# Altium PCB ASCII_LimeSDR-USB_1v4.PcbDoc (part 6 of 10) (continued)
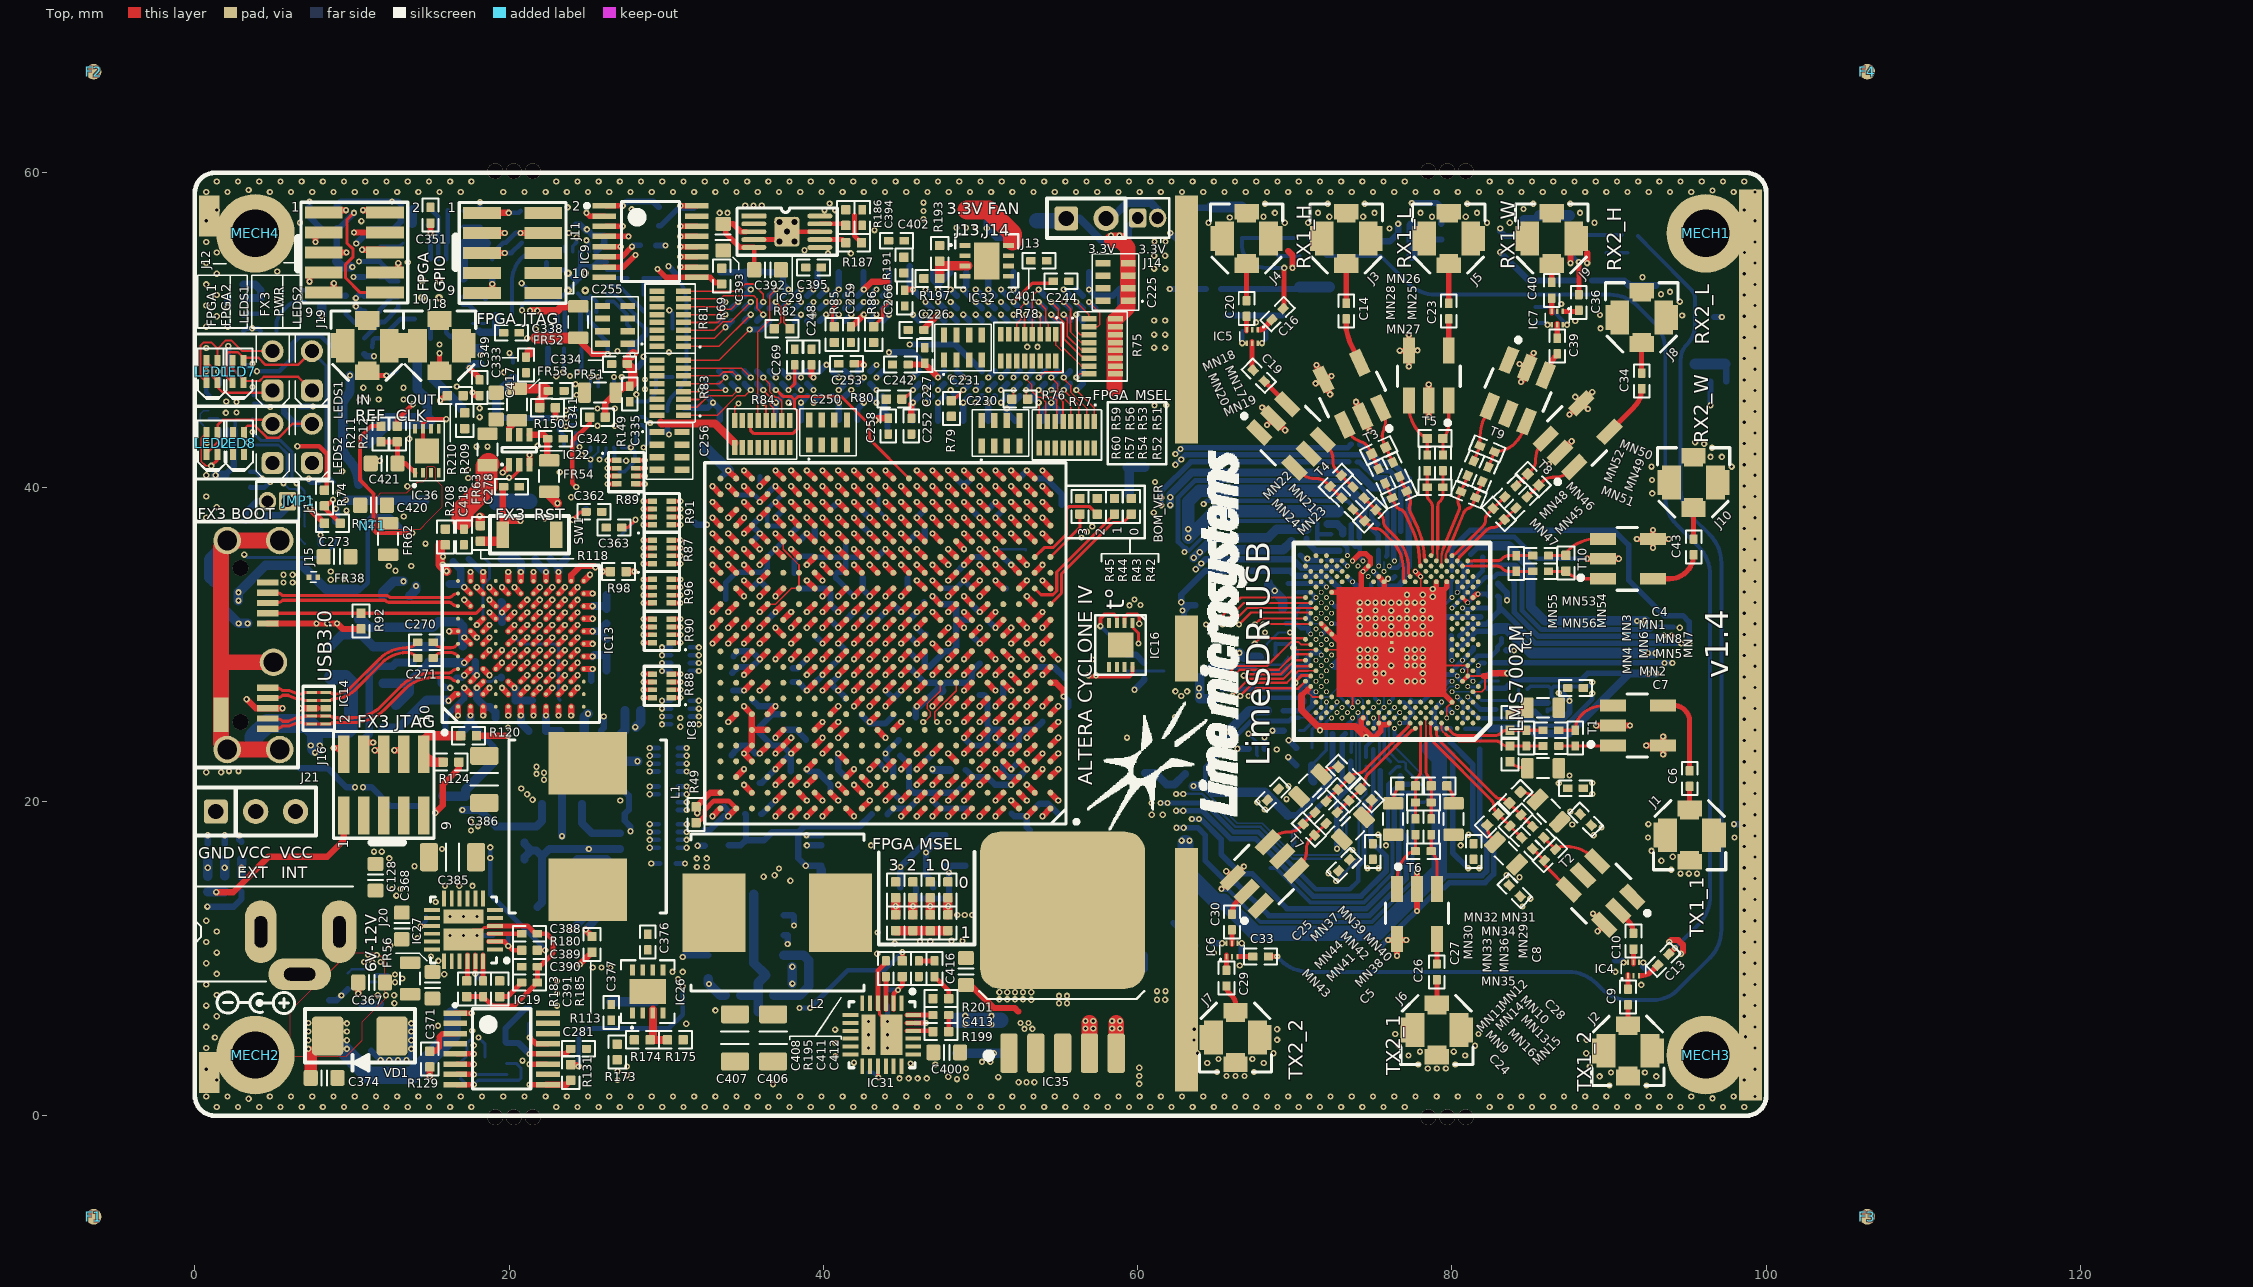
[diagram p0: Top view]
## Nets (pads, with @x,y where several pads share a name; then routed paths per layer and width w, separated by ;. In a path a pad name is that pad's centre, name@x,y a point inside that pad or via, vN(x,y) a via of type N, cw(c..) or ccw(c..) an arc to the next point about the centre after c; other vN are vias at no path point) (continued)
  Bottom w1: XO2.2@19.2,39.025 19.275,39.1 21.3,39.1
  other v1: 90.025,1.925 92.375,1.925 36.8,2 1.4,2.275 98.6,2.275 89.4,2.5 93,2.5 65.65,2.525 66.225,2.525 66.8,2.525 90.125,2.75 92.275,2.75 65.05,2.775 67.4,2.775 0.725,2.95 99.275,2.95 78.465,3 79.04,3 79.615,3 88.775,3.125 77.865,3.25 80.215,3.25 64.425,3.35 68.025,3.35 41.95,3.375 20.85,3.5 65.15,3.6 67.3,3.6 40.775,3.775 77.24,3.825 80.84,3.825 63.8,3.975 68.65,3.975 88.55,3.975 77.965,4.075 80.115,4.075 0.725,4.3 99.275,4.3 76.615,4.45 81.465,4.45 17.75,4.475 40.75,4.625 63.575,4.825 68.875,4.825 88.575,4.825 1.275,4.975 98.675,5.025 76.39,5.2 81.69,5.2 40.75,5.475 63.6,5.5 68.875,5.5 0.725,5.65 99.275,5.65 15.475,5.725 31.275,5.85 1.4,6.325 98.6,6.325 33.125,6.7 0.725,7 99.275,7 53.225,7.375 51.2,7.4 51.7,7.4 52.2,7.4 52.7,7.4 1.4,7.675 98.6,7.675 51.2,7.85 51.7,7.85 52.2,7.85 52.7,7.85 53.225,7.85 92.05,8.325 0.725,8.35 99.275,8.35 1.4,9.025 98.6,9.025 90.4,9.15 66.5,9.55 0.725,9.7 99.275,9.7 1.4,10.375 64.85,10.375 98.6,10.375 0.725,11.05 99.275,11.05 1.4,11.725 98.6,11.725 0.725,12.4 99.275,12.4 98.6,13.075 84.494,13.314 15.325,13.6 99.275,13.75 84.989,13.809 98.6,14.425 15.925,14.625 16.825,14.625 17.675,14.625 37.9,14.95 99.275,15.1 94.55,15.4 95.075,15.4 95.6,15.4 72.145,15.422 93.95,15.65 74.63,15.749 75.33,15.749 81.73,15.749 98.6,15.775 13.975,15.875 93.325,16.225 99.275,16.45 94.05,16.475 92.7,16.85 15.725,16.975 98.6,17.125 43.025,17.2 92.475,17.7 97.975,17.7 99.275,17.8 89.019,17.84 89.514,18.335 98.6,18.475 92.5,18.55 60.9,19.15 61.6,19.15 99.275,19.15 68.09,19.477 98.6,19.825 60.875,19.9 67.62,19.947 27.075,20.05 88.93,20.472 99.275,20.5 88.93,21.172 98.6,21.175 0.725,21.85 99.275,21.85 98.6,22.525 99.275,23.2 68.85,23.3 98.6,23.875 59.319,24.056 74.525,24.1 71.6,24.525 99.275,24.55 19.925,24.7 47.95,25.05 98.6,25.225 62.375,25.375 99.275,25.9 98.6,26.575 99.275,27.25 76.141,27.638 75.141,27.648 77.641,27.648 98.6,27.925 75.141,28.148 75.641,28.148 78.141,28.148 99.275,28.6 74.141,28.648 74.641,28.648 76.141,28.638 77.141,28.648 77.641,28.648 78.141,28.648 74.141,29.148 74.641,29.148 75.141,29.148 77.141,29.148 77.641,29.148 78.141,29.148 98.6,29.275 74.641,29.648 76.141,29.638 77.641,29.648 78.141,29.648 99.275,29.95 75.641,30.638 76.141,30.638 98.6,30.625 74.641,30.648 75.141,30.648 76.641,30.648 77.141,30.648 77.641,30.648 78.141,30.648 78.641,30.648 68.1,30.75 94.5,31.05 74.141,31.148 75.141,31.148 76.141,31.138 77.141,31.148 78.141,31.148 64.35,31.25 99.275,31.3 7.75,31.325 8.425,31.325 74.641,31.648 75.141,31.648 75.641,31.638 76.141,31.638 76.641,31.648 77.141,31.648 77.641,31.648 78.141,31.648 78.641,31.648 98.6,31.975 76.141,32.138 74.141,32.148 75.141,32.148 77.141,32.148 78.141,32.148 74.141,32.648 74.641,32.648 75.141,32.648 75.641,32.638 76.141,32.638 76.641,32.648 77.141,32.648 77.641,32.648 78.141,32.648 99.275,32.65 78.776,33.019 77.141,33.148 78.141,33.148 98.6,33.325 78.776,33.519 99.275,34 9.5,34.175 98.6,34.675 99.275,35.35 70.8,35.45 62.975,35.875 98.6,36.025 14.675,36.4 99.275,36.7 98.6,37.375 22.275,38.025 0.725,38.05 99.275,38.05 13.3,38.125 61.025,38.375 9.65,38.5 1.4,38.725 98.6,38.725 23.95,39.35 0.725,39.4 99.275,39.4 92.75,39.6 9.15,39.65 13.525,40.05 98.6,40.075 61.1,40.325 92.725,40.45 0.725,40.75 99.275,40.75 23.225,40.95 9.375,41 17.375,41.1 92.7,41.3 97.8,41.3 98.6,41.425 86.176,41.468 11.775,41.675 96.45,41.925 97.175,41.925 99.275,42.1 96.55,42.5 17.925,42.575 18.625,42.575 21.825,42.625 96.05,42.75 98.6,42.775 95.475,42.85 13.65,43.075 99.275,43.45 25.625,43.9 26.725,43.9 98.6,44.125 18.125,44.45 1.975,44.725 2.65,44.75 99.275,44.8 25.625,45 26.725,45 18.125,45.025 61.075,45.2 61.825,45.2 2.65,45.425 2,45.45 98.6,45.475 11.7,45.575 13.275,45.575 87.851,45.743 28.1,45.9 11.75,46.325 13.275,46.325 16.675,46.4 23,47.05 23.875,47.075 19.675,47.3 26.9,48.65 0.725,48.85 61.05,48.875 61.75,48.875 15.575,49.075 61.05,49.7 61.75,49.7 89.45,50.1 0.725,50.2 2.1,50.2 67.534,50.484 87.85,50.575 61.05,50.6 61.75,50.6 1.4,50.875 94.65,50.925 89.425,50.95 0.725,51.55 86.95,51.65 94.5,51.8 5.25,51.95 1.4,52.225 93.3,52.275 93.875,52.425 0.725,52.9 8.85,52.975 92.125,53.35 1.4,53.575 5.25,53.725 61.05,53.9 61.75,53.9 0.725,54.25 87.545,54.25 88.605,54.25 61.05,54.725 61.75,54.725 1.4,54.925 0.725,55.6 61.075,55.625 61.775,55.625 43.25,56.35 76.025,56.45 48.475,56.5 49.075,56.5 49.675,56.5 6.7,56.825 64.509,56.825 69.359,56.825 70.85,56.825 82.225,56.825 83.675,56.825 89.075,56.825 10.6,56.925 0.725,56.95 65.859,57.15 68.009,57.2 72.2,57.2 74.35,57.2 78.725,57.2 80.875,57.2 68.734,57.45 71.475,57.45 75.075,57.45 78,57.45 81.6,57.45 88.15,57.45 1.4,57.625 84.55,57.7 23.725,57.8 68.109,58.025 72.1,58.025 74.45,58.025 80.975,58.025 85.175,58.025 87.525,58.025
  other v2: 99.275,46.15 98.6,46.825 99.275,47.5 98.6,48.175 99.275,48.85 98.6,49.525 99.275,50.2 98.6,50.875 99.275,51.55 98.6,52.225 99.275,52.9 98.6,53.575 99.275,54.25 98.625,54.925 99.275,55.6 99.275,56.95 98.6,57.625
  other v3: 1.4,0.55 2.75,0.55 4.1,0.55 5.45,0.55 6.8,0.55 8.15,0.55 9.5,0.55 10.85,0.55 12.2,0.55 13.55,0.55 14.9,0.55 16.25,0.55 17.6,0.55 23,0.55 24.35,0.55 25.7,0.55 27.05,0.55 28.4,0.55 29.75,0.55 31.1,0.55 32.45,0.55 33.8,0.55 35.15,0.55 36.5,0.55 37.85,0.55 39.2,0.55 40.55,0.55 41.9,0.55 43.25,0.55 44.6,0.55 45.95,0.55 47.3,0.55 48.65,0.55 50,0.55 51.35,0.55 52.7,0.55 54.05,0.55 55.4,0.55 56.75,0.55 58.1,0.55 59.45,0.55 60.8,0.55 62.15,0.55 63.5,0.55 64.85,0.55 66.2,0.55 67.55,0.55 68.9,0.55 70.25,0.55 71.6,0.55 72.95,0.55 74.3,0.55 75.65,0.55 77,0.55 82.4,0.55 83.75,0.55 85.1,0.55 86.45,0.55 87.8,0.55 89.15,0.55 90.5,0.55 91.85,0.55 93.2,0.55 94.55,0.55 95.9,0.55 97.25,0.55 98.6,0.55 3.425,1.075 96.575,1.1 0.725,1.225 2.075,1.225 4.775,1.225 6.125,1.225 7.475,1.225 8.825,1.225 10.175,1.225 11.525,1.225 12.875,1.225 14.225,1.225 15.575,1.225 16.925,1.225 18.275,1.225 19.625,1.225 20.975,1.225 22.325,1.225 23.675,1.225 25.025,1.225 26.375,1.225 27.725,1.225 29.075,1.225 30.425,1.225 31.775,1.225 33.125,1.225 34.475,1.225 35.825,1.225 37.175,1.225 38.525,1.225 39.875,1.225 41.225,1.225 42.575,1.225 43.925,1.225 45.275,1.225 46.625,1.225 47.975,1.225 49.325,1.225 50.675,1.225 52.025,1.225 53.375,1.225 54.725,1.225 56.075,1.225 57.425,1.225 58.775,1.225 60.125,1.225 61.475,1.225 62.825,1.225 64.175,1.225 65.525,1.225 66.875,1.225 68.225,1.225 69.575,1.225 70.925,1.225 72.275,1.225 73.625,1.225 74.975,1.225 76.325,1.225 77.675,1.225 79.025,1.225 80.375,1.225 81.725,1.225 83.075,1.225 84.425,1.225 85.775,1.225 87.125,1.225 88.475,1.225 89.825,1.225 91.175,1.225 92.525,1.225 93.875,1.225 95.225,1.225 97.925,1.225 99.275,1.225 0.725,58.775 2.075,58.775 4.775,58.775 6.125,58.775 7.475,58.775 8.825,58.775 10.175,58.775 11.525,58.775 12.875,58.775 14.225,58.775 15.575,58.775 16.925,58.775 19.625,58.775 20.975,58.775 22.325,58.775 23.675,58.775 25.025,58.775 26.375,58.775 27.725,58.775 29.075,58.775 30.425,58.775 31.775,58.775 33.125,58.775 34.475,58.775 35.825,58.775 37.175,58.775 38.525,58.775 39.875,58.775 41.225,58.775 42.575,58.775 43.925,58.775 45.275,58.775 46.625,58.775 47.975,58.775 49.325,58.775 50.675,58.775 52.025,58.775 53.375,58.775 54.725,58.775 56.075,58.775 57.425,58.775 58.775,58.775 60.125,58.775 61.475,58.775 62.825,58.775 64.175,58.775 65.525,58.775 66.875,58.775 68.225,58.775 69.575,58.775 70.925,58.775 72.275,58.775 73.625,58.775 74.975,58.775 76.325,58.775 77.675,58.775 79.025,58.775 80.375,58.775 81.725,58.775 83.075,58.775 84.425,58.775 85.775,58.775 87.125,58.775 88.475,58.775 89.825,58.775 91.175,58.775 92.525,58.775 93.875,58.775 95.225,58.775 97.925,58.775 99.275,58.775 96.575,58.875 3.425,58.9 1.4,59.45 2.75,59.45 4.1,59.45 5.45,59.45 6.8,59.45 8.15,59.45 9.5,59.45 10.85,59.45 12.2,59.45 13.55,59.45 14.9,59.45 16.25,59.45 17.6,59.45 23,59.45 24.35,59.45 25.7,59.45 27.05,59.45 28.4,59.45 29.75,59.45 31.1,59.45 32.45,59.45 33.8,59.45 35.15,59.45 36.5,59.45 37.85,59.45 39.2,59.45 40.55,59.45 41.9,59.45 43.25,59.45 44.6,59.45 45.95,59.45 47.3,59.45 48.65,59.45 50,59.45 51.35,59.45 52.7,59.45 54.05,59.45 55.4,59.45 56.75,59.45 58.1,59.45 59.45,59.45 60.8,59.45 62.15,59.45 63.5,59.45 64.85,59.45 66.2,59.45 67.55,59.45 68.9,59.45 70.25,59.45 71.6,59.45 72.95,59.45 74.3,59.45 75.65,59.45 77,59.45 82.4,59.45 83.75,59.45 85.1,59.45 86.45,59.45 87.8,59.45 89.15,59.45 90.5,59.45 91.85,59.45 93.2,59.45 94.55,59.45 95.9,59.45 97.25,59.45 98.6,59.45
  other v4: 72.014,30.309
  other v5: 17.95,11.475 14.45,52.05 15.55,52.05 23.75,52.513 24.85,52.513 14.45,53.15 15.55,53.15 24.85,53.613
LM75_OS: IC8.J6 IC16.3 R65.1 R133.1 | length 18
  Top w0.25: v1(57.625,31.15) 57.625,31.625 57.888,31.888 58.513,31.888 58.675,31.725 IC16.3@58.675,31.35
  Top w0.4: v2(48.95,27.05) IC8.J6@49.45,27.55
  L8 w0.1: v2(48.95,27.05) 49.6,26.4 53.3,26.4 55.475,28.575 55.475,29.363 57.262,31.15 v1(57.625,31.15)
  Bottom w0.25: v1(57.625,31.15) 59.325,29.45 R133.1@59.325,29.325
  Bottom w0.4: R133.1@59.325,29.325 59.9,29.325 R65.1@60.425,28.8
LMK_CLK: IC8.B12 IC20.15 | length 60.5
  Top w0.4: IC8.B12@43.45,20.55 v1(43.95,21.05)
  L10 w0.1: v1(24.3,55.9) 24.3,52.57 cw(c21.91,52.57) 23.6,50.88 22.044,49.324 ccw(c23.84,47.528) 21.3,47.528 21.3,45.127 ccw(c23.84,45.127) 22.044,43.331 28.038,37.337 ccw(c28.55,37.849) 28.55,37.125 cw(c28.55,36.401) 29.062,36.913 ; 29.062,36.913 29.188,36.788 cw(c28.373,35.973) 29.189,36.786 cw(c28.373,35.973) 29.525,35.973 29.525,33.5 ccw(c30.875,33.5) 30.875,32.15 31.346,32.15 cw(c31.346,31.296) 31.95,31.9 ccw(c32.554,32.504) 32.554,31.65 39.596,31.65 ccw(c39.596,32.504) 40.2,31.9 40.556,32.256 cw(c41.025,31.786) 41.025,32.45 47.125,32.45 cw(c47.125,31.95) 47.625,31.95 47.625,26.805 cw(c45.32,26.805) 46.95,25.175 44.654,22.879 ccw(c45.507,22.025) 44.3,22.025 44.3,21.895 cw(c43.105,21.895) v1(43.95,21.05)
  Bottom w0.25: IC20.15@24.05,54.988 24.05,55.325 24.3,55.575 v1(24.3,55.9)
LMS_CORE_LDO_EN: IC1.U33 IC8.B18 R5.1 | length 42.6
  Top w0.11: 70.401,29.976 IC1.U33@71.015,29.976
  Top w0.13: v1@65.625,28.025 65.659,28.025 66.249,28.615 68.231,28.615 69.75,30.134 70.244,30.134 70.401,29.976
  Top w0.4: v2(36.95,20.05) IC8.B18@37.45,20.55
  L9 w0.1: v2(36.95,20.05) 37.4,20.5 43.2,20.5 43.4,20.7 44.795,20.7 45.795,19.7 47.095,19.7 47.3,19.905 47.3,20.895 47.805,21.4 48.095,21.4 49.078,20.417 55.027,20.417 56.261,21.65 59.517,21.65 65.625,27.758 v1(65.625,28)
  Bottom w0.4: R5.1@36.025,19.2 36.1,19.2 v2(36.95,20.05)
LMS_DIQ1_D0: IC1.AG31 IC8.B17 | length 42.5
  Top w0.4: IC8.B17@38.45,20.55 v2(38.95,20.05)
  L4 w0.1: v2(38.95,20.05) 38.95,19.6 39.1,19.45 40.15,19.45 40.6,19.9 40.6,21.9 42.1,23.4 44.15,23.4 46.575,25.825 46.575,26.17 46.855,26.45 47.525,26.45 48.605,27.53 48.605,28.2 48.83,28.425 49.433,28.425 51.6,30.592 51.6,31.242 52.258,31.9 53.275,31.9 53.825,32.45 55.001,32.45 56.701,34.15 68.925,34.15 69.769,33.306 v4(71.681,33.306)
LMS_DIQ1_D1: IC1.AF30 IC8.B16 | length 42.2
  Top w0.4: IC8.B16@39.45,20.55 v2(39.95,20.05)
  L4 w0.1: v2(39.95,20.05) 40.2,20.05 40.4,20.25 40.4,22.005 41.995,23.6 44.067,23.6 46.375,25.908 46.375,26.253 46.772,26.65 47.442,26.65 48.405,27.613 48.405,28.283 48.772,28.65 49.375,28.65 51.4,30.675 51.4,31.325 52.175,32.1 53.192,32.1 53.742,32.65 54.9,32.65 56.6,34.35 69.008,34.35 69.433,33.925 72.188,33.925 72.339,33.774 72.339,33.298 v4(72.014,32.973)
LMS_DIQ1_D2: IC1.AF34 IC8.B15 | length 41.6
  Top w0.15: v1@64.868,31.268 66.573,32.973 IC1.AF34@70.682,32.973
  Top w0.4: IC8.B15@40.45,20.55 v2(40.95,20.05)
  L8 w0.1: v2(40.95,20.05) 40.475,20.05 40.25,20.275 40.25,20.845 43.55,24.145 44.805,25.4 55.7,25.4 56.425,26.125 56.425,28.992 56.833,29.4 57.525,29.4 ccw(c57.525,29.704) 57.829,29.704 57.829,29.896 cw(c58.133,29.896) 58.133,30.2 cw(c58.133,29.896) 58.437,29.896 58.437,29.4 58.437,29.004 ccw(c58.741,29.004) 58.741,28.7 ccw(c58.741,29.004) 59.045,29.004 59.045,29.096 cw(c59.349,29.096) 59.349,29.4 59.525,29.4 59.925,29.4 61.325,30.8 64.625,30.8 64.875,31.05 v1(64.875,31.261)
LMS_DIQ1_D3: IC1.AE31 IC8.B14 | length 42.3
  Top w0.4: v2(40.95,21.05) IC8.B14@41.45,20.55
  L4 w0.1: v2(40.95,21.05) 40.8,21.2 40.8,21.75 41.7,22.65 44.3,22.65 45.45,23.8 46.5,23.8 46.85,24.15 46.85,25.445 53.005,31.6 54.434,31.6 56.759,33.925 63.95,33.925 64.43,33.925 64.734,33.925 cw(c64.734,33.621) 65.038,33.621 65.038,33.404 ccw(c65.342,33.404) 65.342,33.1 ccw(c65.342,33.404) 65.646,33.404 65.646,33.621 cw(c65.95,33.621) 65.95,33.925 66.725,33.925 67.029,33.925 67.333,33.925 cw(c67.333,33.621) 67.637,33.621 67.637,32.959 ccw(c67.941,32.959) 67.941,32.655 ccw(c67.941,32.959) 68.245,32.959 68.245,33.621 cw(c68.549,33.621) 68.549,33.925 68.853,33.925 69.125,33.653 69.125,32.8 69.285,32.64 v4(71.681,32.64)
LMS_DIQ1_D4: IC1.AD30 IC8.B13 | length 42.4
  Top w0.4: v2(41.95,21.05) IC8.B13@42.45,20.55
  L4 w0.1: v2(41.95,21.05) 41.6,21.4 41.6,22.212 41.838,22.45 44.562,22.45 45.712,23.6 46.608,23.6 47.575,24.567 47.575,25.17 48.805,26.4 49.25,26.4 50.25,27.4 50.25,27.845 53.805,31.4 54.517,31.4 56.567,33.45 58.35,33.45 cw(c58.35,33.146) 58.654,33.146 58.654,32.93 ccw(c58.958,32.93) 58.958,32.626 ccw(c58.958,32.93) 59.262,32.93 59.262,33.146 cw(c59.566,33.146) 59.566,33.45 60.05,33.45 60.5,33.45 cw(c60.5,33.146) 60.804,33.146 60.804,32.572 ccw(c61.108,32.572) 61.108,32.268 ccw(c61.108,32.572) 61.412,32.572 61.412,33.45 cw(c61.687,33.45) 61.687,33.725 61.745,33.725 cw(c61.745,33.45) 62.02,33.45 62.02,33.149 ccw(c62.324,33.149) 62.324,32.845 ccw(c62.324,33.149) 62.628,33.149 cw(c62.929,33.149) 62.929,33.45 63.325,33.45 63.575,33.45 64.125,32.9 65.6,32.9 66.193,32.307 v4(72.014,32.307)
LMS_DIQ1_D5: IC1.AC29 IC8.C13 | length 42.7
  Top w0.4: IC8.C13@42.45,21.55 v2(42.95,21.05)
  L4 w0.1: v2(42.95,21.05) 42.95,20.9 41.6,19.55 41.6,18.625 41.875,18.35 43.745,18.35 47.62,22.225 48.63,22.225 54.822,28.417 64,28.417 cw(c64,28.113) 64.304,28.113 64.304,28.054 ccw(c64.608,28.054) 64.608,27.75 ccw(c64.608,28.054) 64.912,28.054 64.912,28.113 cw(c65.216,28.113) 65.216,28.417 65.75,28.417 69.417,28.417 70.651,29.651 72.482,29.651 72.672,29.842 72.672,31.649 v4(72.347,31.974)
LMS_DIQ1_D6: IC1.AE33 IC8.A18 | length 41.4
  Top w0.15: v1@65.39,31.265 66.748,32.623 70.998,32.623 IC1.AE33@71.015,32.64
  Top w0.4: v2(36.95,19.05) IC8.A18@37.45,19.55
  L8 w0.1: v2(36.95,19.05) 37.408,19.05 38.758,20.4 39.475,20.4 44.675,25.6 54.005,25.6 54.9,26.495 54.9,26.925 56.1,28.125 56.1,28.95 57.55,30.4 60.642,30.4 61.292,31.05 63.65,31.05 64.211,31.611 65.02,31.611 65.375,31.255 v1(65.4,31.255)
LMS_DIQ1_D7: IC1.AD32 IC8.A17 | length 41.1
  Top w0.11: 70.74,32.307 IC1.AD32@71.348,32.307
  Top w0.15: v1(65.925,31.25) 65.925,31.255 66.977,32.307 68.512,32.307 70.74,32.307
  Top w0.4: v2(37.95,19.05) IC8.A17@38.45,19.55
  L8 w0.1: v2(37.95,19.05) 38.6,19.7 41.1,19.7 46,24.6 55.575,24.6 58.275,27.3 58.275,27.5 57.725,28.05 57.725,28.35 57.858,28.483 59.433,28.483 61.45,30.5 65.4,30.5 65.925,31.025 v1(65.925,31.25)
LMS_DIQ1_D8: IC1.AC31 IC8.A16 | length 42.3
  Top w0.4: v2(38.95,19.05) IC8.A16@39.45,19.55
  L4 w0.1: v2(38.95,19.05) 38.95,18.75 39.55,18.15 40.7,18.15 41.175,18.625 41.175,19.77 42.3,20.895 42.3,21.35 42.65,21.7 44.095,21.7 45.795,23.4 46.8,23.4 56.575,33.175 58,33.175 59.05,32.125 60.6,32.125 61.5,31.225 62.525,31.225 63.266,31.966 71.673,31.966 v4(71.681,31.974)
LMS_DIQ1_D9: IC1.AC33 IC8.A15 | length 41.1
  Top w0.15: v1(66.45,31.25) 67.216,32.016 70.973,32.016 IC1.AC33@71.015,31.974
  Top w0.4: v2(39.95,19.05) IC8.A15@40.45,19.55
  L8 w0.1: v2(39.95,19.05) 39.65,18.75 39.65,18.15 40.125,17.675 41.045,17.675 41.525,18.155 41.525,19.825 42.425,20.725 43.12,20.725 44.3,21.905 44.3,22.617 46.083,24.4 55.8,24.4 61.7,30.3 66.25,30.3 66.45,30.5 v1(66.45,31.25)
LMS_DIQ1_D10: IC1.AB30 IC8.A14 | length 42.9
  Top w0.4: IC8.A14@41.45,19.55 v2(41.95,19.05)
  L4 w0.1: v2(41.95,19.05) 43.455,19.05 46.88,22.475 47.88,22.475 54.055,28.65 60.525,28.65 60.925,29.05 61.25,29.05 ccw(c61.25,29.354) 61.554,29.354 61.554,29.762 cw(c61.858,29.762) 61.858,30.066 cw(c61.858,29.762) 62.162,29.762 62.162,29.05 62.162,28.92 ccw(c62.466,28.92) 62.466,28.616 ccw(c62.466,28.92) 62.77,28.92 62.77,29.05 62.77,29.762 cw(c63.074,29.762) 63.074,30.066 cw(c63.074,29.762) 63.378,29.762 63.378,29.05 63.378,28.92 ccw(c63.682,28.92) 63.682,28.616 ccw(c63.682,28.92) 63.986,28.92 63.986,29.05 63.986,29.762 cw(c64.29,29.762) 64.29,30.066 cw(c64.29,29.762) 64.594,29.762 64.594,29.354 ccw(c64.898,29.354) 64.898,29.05 65.15,29.05 65.454,29.05 66.05,29.05 69.677,29.05 70.675,30.048 70.675,31.075 70.916,31.316 71.689,31.316 v4(72.014,31.641)
LMS_DIQ1_D11: IC1.AB32 IC8.A13 | length 42.4
  Top w0.4: IC8.A13@42.45,19.55 v2(42.95,20.05)
  L4 w0.1: v2(42.95,20.05) 43.3,20.4 44.522,20.4 45.3,21.178 45.3,22.525 45.475,22.7 47.095,22.7 47.425,23.03 47.425,23.65 47.625,23.85 48.245,23.85 48.45,24.055 48.45,24.575 48.575,24.7 49.095,24.7 54.325,29.93 54.325,30.55 55.925,32.15 56.25,32.15 ccw(c56.25,32.454) 56.554,32.454 56.554,32.582 cw(c56.858,32.582) 56.858,32.886 cw(c56.858,32.582) 57.162,32.582 57.162,32.15 57.162,31.874 ccw(c57.466,31.874) 57.466,31.57 ccw(c57.466,31.874) 57.77,31.874 57.77,31.846 cw(c58.074,31.846) 58.074,32.15 58.5,32.15 58.875,31.775 58.875,30.475 59.15,30.2 59.45,30.2 59.725,30.475 59.725,31.625 59.975,31.875 60.375,31.875 60.625,31.625 60.625,30.75 60.875,30.5 62.2,30.5 63.466,31.766 71.223,31.766 v4(71.348,31.641)
LMS_DIQ2_D0: IC1.H30 IC8.B7 | length 36.9
  Top w0.4: v2(47.95,20.05) IC8.B7@48.45,20.55
  L4 w0.1: v2(47.95,20.05) 47.95,19.838 48.288,19.5 54,19.5 cw(c54,19.196) 54.304,19.196 54.304,18.534 ccw(c54.608,18.534) 54.608,18.23 ccw(c54.608,18.534) 54.912,18.534 54.912,19.5 cw(c55.146,19.5) 55.146,19.734 55.286,19.734 cw(c55.286,19.5) 55.52,19.5 55.52,18.534 ccw(c55.824,18.534) 55.824,18.23 ccw(c55.824,18.534) 56.128,18.534 56.128,19.5 56.128,20.466 cw(c56.432,20.466) 56.432,20.77 cw(c56.432,20.466) 56.736,20.466 56.736,19.5 56.736,18.886 ccw(c57.04,18.886) 57.04,18.582 ccw(c57.04,18.886) 57.344,18.886 57.344,19.196 cw(c57.648,19.196) 57.648,19.5 57.952,19.5 58.025,19.5 58.075,19.55 63.9,25.375 70.203,25.375 70.6,25.772 70.6,26.275 70.8,26.475 71.303,26.475 71.808,26.979 v4(72.014,26.979)
LMS_DIQ2_D1: IC1.J31 IC8.B6 | length 36.8
  Top w0.4: v2(48.95,20.05) IC8.B6@49.45,20.55
  L4 w0.1: v2(48.95,20.05) 48.95,19.825 49.075,19.7 49.45,19.7 ccw(c49.45,20.004) 49.754,20.004 49.754,20.405 cw(c50.058,20.405) 50.058,20.709 cw(c50.058,20.405) 50.362,20.405 50.362,20.004 ccw(c50.666,20.004) 50.666,19.7 50.97,19.7 51.175,19.7 53.525,19.7 55.175,21.35 55.323,21.35 55.627,21.35 ccw(c55.627,21.654) 55.931,21.654 55.931,22.121 cw(c56.235,22.121) 56.235,22.425 cw(c56.235,22.121) 56.539,22.121 56.539,21.35 56.539,21.162 ccw(c56.843,21.162) 56.843,20.858 ccw(c56.843,21.162) 57.147,21.162 57.147,21.35 57.147,22.121 cw(c57.451,22.121) 57.451,22.425 cw(c57.451,22.121) 57.755,22.121 57.755,21.35 57.755,20.384 ccw(c58.059,20.384) 58.059,20.08 ccw(c58.059,20.384) 58.363,20.384 58.363,21.35 58.363,22.121 cw(c58.667,22.121) 58.667,22.425 cw(c58.667,22.121) 58.971,22.121 58.971,21.654 ccw(c59.275,21.654) 59.275,21.35 59.55,21.35 63.775,25.575 69.45,25.575 71.187,27.312 v4(71.681,27.312)
LMS_DIQ2_D2: IC1.K30 IC8.B4 | length 36.4
  Top w0.4: v2(50.95,20.05) IC8.B4@51.45,20.55
  L8 w0.1: v2(50.95,20.05) 50.75,20.25 50.75,20.475 50.975,20.7 54.125,20.7 55.388,21.963 55.388,22.463 55.75,22.825 55.75,23.45 61.425,29.125 61.775,29.125 ccw(c61.775,29.429) 62.079,29.429 cw(c62.383,29.429) 62.383,29.733 cw(c62.383,29.429) 62.687,29.429 62.687,29.125 62.687,28.375 ccw(c62.991,28.375) 62.991,28.071 ccw(c62.991,28.375) 63.295,28.375 63.295,29.125 63.295,29.375 cw(c63.599,29.375) 63.599,29.679 cw(c63.599,29.375) 63.903,29.375 63.903,29.125 63.903,28.441 ccw(c64.207,28.441) 64.207,28.137 ccw(c64.207,28.441) 64.511,28.441 64.511,28.821 cw(c64.815,28.821) 64.815,29.125 65.325,29.125 65.6,28.85 67.675,28.85 68.25,29.425 68.25,30.25 68.4,30.4 68.694,30.4 69.675,29.419 71.169,29.419 71.401,29.651 71.816,29.651 72.524,29.651 72.676,29.499 72.676,28.304 v4@72.016,27.644
  other v4: 72.014,27.645
LMS_DIQ2_D3: IC1.K32 IC8.B3 | length 36.9
  Top w0.4: IC8.B3@52.45,20.55 v2(52.95,20.05)
  L4 w0.1: v2(52.95,20.05) 52.445,20.05 51.6,20.895 51.6,22.195 52.4,22.995 53.811,24.406 55.25,24.406 ccw(c55.25,24.71) 55.554,24.71 55.554,25.213 cw(c55.858,25.213) 55.858,25.517 cw(c55.858,25.213) 56.162,25.213 56.162,24.406 56.162,23.44 ccw(c56.466,23.44) 56.466,23.136 ccw(c56.466,23.44) 56.77,23.44 56.77,24.406 56.77,25.213 cw(c57.074,25.213) 57.074,25.517 cw(c57.074,25.213) 57.378,25.213 57.378,24.406 57.378,23.44 ccw(c57.682,23.44) 57.682,23.136 ccw(c57.682,23.44) 57.986,23.44 57.986,24.406 57.986,25.213 cw(c58.29,25.213) 58.29,25.517 cw(c58.29,25.213) 58.594,25.213 58.594,24.71 ccw(c58.898,24.71) 58.898,24.406 59.202,24.406 59.436,24.406 59.478,24.447 61.03,26 65.525,26 65.65,26.125 67.225,26.125 ccw(c67.225,26.429) 67.529,26.429 67.529,26.571 cw(c67.833,26.571) 67.833,26.875 cw(c67.833,26.571) 68.137,26.571 68.137,26.429 ccw(c68.441,26.429) 68.441,26.125 68.475,26.125 69.15,26.125 70.67,27.645 v4(71.348,27.645)
LMS_DIQ2_D4: IC1.L31 IC8.A10 | length 37.7
  Top w0.4: v2(44.95,19.05) IC8.A10@45.45,19.55
  L4 w0.1: v2(44.95,19.05) 45.3,18.7 47.095,18.7 47.3,18.905 47.3,20.5 47.5,20.7 48.105,20.7 49.055,21.65 50.055,21.65 53.28,24.875 54.28,24.875 55.122,25.717 55.475,25.717 ccw(c55.475,26.021) 55.779,26.021 55.779,26.721 cw(c56.083,26.721) 56.083,27.025 cw(c56.083,26.721) 56.387,26.721 56.387,26.021 ccw(c56.691,26.021) 56.691,25.717 ccw(c56.691,26.021) 56.995,26.021 56.995,26.721 cw(c57.299,26.721) 57.299,27.025 cw(c57.299,26.721) 57.603,26.721 57.603,26.021 ccw(c57.907,26.021) 57.907,25.717 58.211,25.717 58.65,25.717 60.464,25.717 60.947,26.2 64.95,26.2 65.842,27.092 68.075,27.092 cw(c68.075,26.788) 68.379,26.788 68.379,26.713 ccw(c68.683,26.713) 68.683,26.409 ccw(c68.683,26.713) 68.987,26.713 68.987,26.788 cw(c69.291,26.788) 69.291,27.092 69.35,27.092 69.542,27.092 69.706,27.256 69.706,27.744 69.941,27.978 v4(71.681,27.978)
LMS_DIQ2_D5: IC1.K34 IC8.A9 | length 36.4
  Top w0.15: v1(67.05,26.7) 67.55,27.2 69.87,27.2 69.895,27.175 70.212,27.175 IC1.K34@70.682,27.645
  Top w0.4: v2(45.95,19.05) IC8.A9@46.45,19.55
  L8 w0.1: v2(45.95,19.05) 45.95,18.5 47.442,17.008 51.275,17.008 51.458,17.008 ccw(c51.458,17.13) 51.579,17.13 cw(c51.883,17.13) 51.883,17.434 cw(c51.883,17.13) 52.187,17.13 52.187,17.008 52.187,16.55 ccw(c52.491,16.55) 52.491,16.246 ccw(c52.491,16.55) 52.795,16.55 52.795,17.008 52.795,17.13 cw(c53.099,17.13) 53.099,17.434 cw(c53.099,17.13) 53.403,17.13 53.403,17.008 53.403,16.55 ccw(c53.707,16.55) 53.707,16.246 ccw(c53.707,16.55) 54.011,16.55 54.011,17.008 54.011,17.13 cw(c54.315,17.13) 54.315,17.434 cw(c54.315,17.13) 54.619,17.13 54.619,17.008 54.619,16.55 ccw(c54.923,16.55) 54.923,16.246 ccw(c54.923,16.55) 55.227,16.55 55.227,16.704 cw(c55.531,16.704) 55.531,17.008 56.55,17.008 57.358,17.008 v1(67.05,26.7)
LMS_DIQ2_D6: IC1.M30 IC8.A8 | length 37.3
  Top w0.4: v2(46.95,19.05) IC8.A8@47.45,19.55
  L4 w0.1: v2(46.95,19.05) 46.6,19.4 46.6,20.2 48.375,21.975 49.37,21.975 54.945,27.55 58.1,27.55 cw(c58.1,27.246) 58.404,27.246 58.404,26.546 ccw(c58.708,26.546) 58.708,26.242 ccw(c58.708,26.546) 59.012,26.546 59.012,27.55 59.012,27.913 cw(c59.316,27.913) 59.316,28.217 cw(c59.316,27.913) 59.62,27.913 59.62,27.55 ccw(c59.821,27.55) 59.821,27.349 60.027,27.349 ccw(c60.027,27.55) 60.228,27.55 60.228,27.913 cw(c60.532,27.913) 60.532,28.217 cw(c60.532,27.913) 60.836,27.913 60.836,27.839 ccw(c61.125,27.839) 61.125,27.55 67.15,27.55 ccw(c67.15,27.854) 67.454,27.854 67.454,27.913 cw(c67.758,27.913) 67.758,28.217 cw(c67.758,27.913) 68.062,27.913 68.062,27.854 ccw(c68.366,27.854) 68.366,27.55 68.55,27.55 68.875,27.55 69.636,28.311 70,28.311 ccw(c70,28.615) 70.304,28.615 70.304,28.895 cw(c70.608,28.895) 70.608,29.199 cw(c70.608,28.895) 70.912,28.895 70.912,28.615 ccw(c71.216,28.615) 71.216,28.311 71.4,28.311 v4(72.014,28.311)
LMS_DIQ2_D7: IC1.M32 IC8.A7 | length 36
  Top w0.11: 70.844,28.311 IC1.M32@71.348,28.311
  Top w0.15: v1(66.525,26.7) 66.675,26.85 66.675,26.855 67.37,27.55 69.482,27.55 70.244,28.311 70.844,28.311
  Top w0.4: v2(47.95,19.05) IC8.A7@48.45,19.55
  L8 w0.1: v2(47.95,19.05) 47.45,19.05 46.875,18.475 46.875,17.925 47.167,17.633 47.4,17.633 ccw(c47.4,17.937) 47.704,17.937 47.704,18.345 cw(c48.008,18.345) 48.008,18.649 cw(c48.008,18.345) 48.312,18.345 48.312,17.633 48.312,17.529 ccw(c48.616,17.529) 48.616,17.225 ccw(c48.616,17.529) 48.92,17.529 48.92,17.633 48.92,17.928 cw(c49.224,17.928) 49.224,18.232 cw(c49.224,17.928) 49.528,17.928 49.528,17.633 49.528,17.529 ccw(c49.832,17.529) 49.832,17.225 ccw(c49.832,17.529) 50.136,17.529 50.136,17.633 50.136,17.896 cw(c50.44,17.896) 50.44,18.2 cw(c50.44,17.896) 50.744,17.896 ccw(c51.007,17.896) 51.007,17.633 51.025,17.633 57.458,17.633 v1(66.525,26.7)
LMS_DIQ2_D8: IC1.N31 IC8.A6 | length 36
  Top w0.4: v2(48.95,19.05) IC8.A6@49.45,19.55
  L8 w0.1: v2(48.95,19.05) 48.95,19.425 49.225,19.7 55.4,19.7 ccw(c55.4,20.004) 55.704,20.004 55.704,20.945 cw(c56.008,20.945) 56.008,21.249 cw(c56.008,20.945) 56.312,20.945 56.312,19.7 56.312,18.904 ccw(c56.616,18.904) 56.616,18.6 ccw(c56.616,18.904) 56.92,18.904 56.92,19.7 56.92,21.428 cw(c57.224,21.428) 57.224,21.732 cw(c57.224,21.428) 57.528,21.428 57.528,20.004 ccw(c57.832,20.004) 57.832,19.7 58.05,19.7 58.45,19.7 65.9,27.15 66.678,27.15 67.3,27.772 67.3,27.775 68.169,28.644 v4(71.681,28.644)
LMS_DIQ2_D9: IC1.N33 IC8.A5 | length 36.2
  Top w0.15: v1(66.02,26.7) 66.02,26.725 67.095,27.8 69.273,27.8 70.075,28.602 71.015,28.602 IC1.N33@71.015,28.644
  Top w0.4: v2(49.95,19.05) IC8.A5@50.45,19.55
  L8 w0.1: v2(49.95,19.05) 49.525,19.05 49.3,18.825 49.3,18.5 49.4,18.4 50.6,18.4 50.658,18.4 cw(c50.658,18.154) 50.904,18.154 ccw(c51.208,18.154) 51.208,17.85 ccw(c51.208,18.154) 51.512,18.154 51.512,18.4 51.512,19.112 cw(c51.816,19.112) 51.816,19.416 cw(c51.816,19.112) 52.12,19.112 52.12,18.4 52.12,18.154 ccw(c52.424,18.154) 52.424,17.85 ccw(c52.424,18.154) 52.728,18.154 52.728,18.4 ; 52.728,18.401 cw(c53.032,18.401) 53.032,18.705 cw(c53.032,18.401) 53.336,18.401 ; 53.336,18.4 53.336,18.154 ccw(c53.64,18.154) 53.64,17.85 ccw(c53.64,18.154) 53.944,18.154 53.944,18.4 53.944,18.468 cw(c54.248,18.468) 54.248,18.772 cw(c54.248,18.468) 54.552,18.468 54.552,18.4 54.552,18.154 ccw(c54.856,18.154) 54.856,17.85 ccw(c54.856,18.154) 55.16,18.154 55.16,18.4 55.16,19.112 cw(c55.464,19.112) 55.464,19.416 cw(c55.464,19.112) 55.768,19.112 55.768,18.4 55.768,18.154 ccw(c56.072,18.154) 56.072,17.85 ccw(c56.072,18.154) 56.376,18.154 cw(c56.622,18.154) 56.622,18.4 56.984,18.4 57.025,18.4 57.72,18.4 v1(66.02,26.7)
LMS_DIQ2_D10: IC1.P30 IC8.A4 | length 37.2
  Top w0.4: v2(50.95,19.05) IC8.A4@51.45,19.55
  L4 w0.1: v2(50.95,19.05) 50.95,18.3 51.425,17.825 51.825,17.825 ccw(c51.825,18.129) 52.129,18.129 52.129,18.65 cw(c52.433,18.65) 52.433,18.954 cw(c52.433,18.65) 52.737,18.65 52.737,17.825 52.737,17.254 ccw(c53.041,17.254) 53.041,16.95 ccw(c53.041,17.254) 53.345,17.254 53.345,17.825 53.345,18.469 cw(c53.649,18.469) 53.649,18.773 cw(c53.649,18.469) 53.953,18.469 53.953,17.825 53.953,17.254 ccw(c54.257,17.254) 54.257,16.95 ccw(c54.257,17.254) 54.561,17.254 54.561,17.521 cw(c54.865,17.521) 54.865,17.825 cw(c54.865,17.521) 55.169,17.521 55.169,17.254 ccw(c55.473,17.254) 55.473,16.95 ccw(c55.473,17.254) 55.777,17.254 55.777,17.521 cw(c56.081,17.521) 56.081,17.825 56.275,17.825 56.706,17.825 57.515,18.634 57.515,18.648 64.042,25.175 70.286,25.175 71.765,26.654 72.159,26.654 72.355,26.85 72.355,28.18 72.676,28.501 72.676,28.778 72.477,28.977 v4(72.014,28.977)